# Altium PCB wtc_spi.PcbDoc (part 2 of 2)
Units mm, origin at the board's own origin, x right, y up, seen from the top; angles counter-clockwise.
Board outline 131 x 99 mm, 2 copper layers (Top Layer, Bottom Layer), stack 1.571 mm thick; 168 components, 105 nets, 503 pads, 537 vias.
Unrouted connection lines stored in the file: 1.
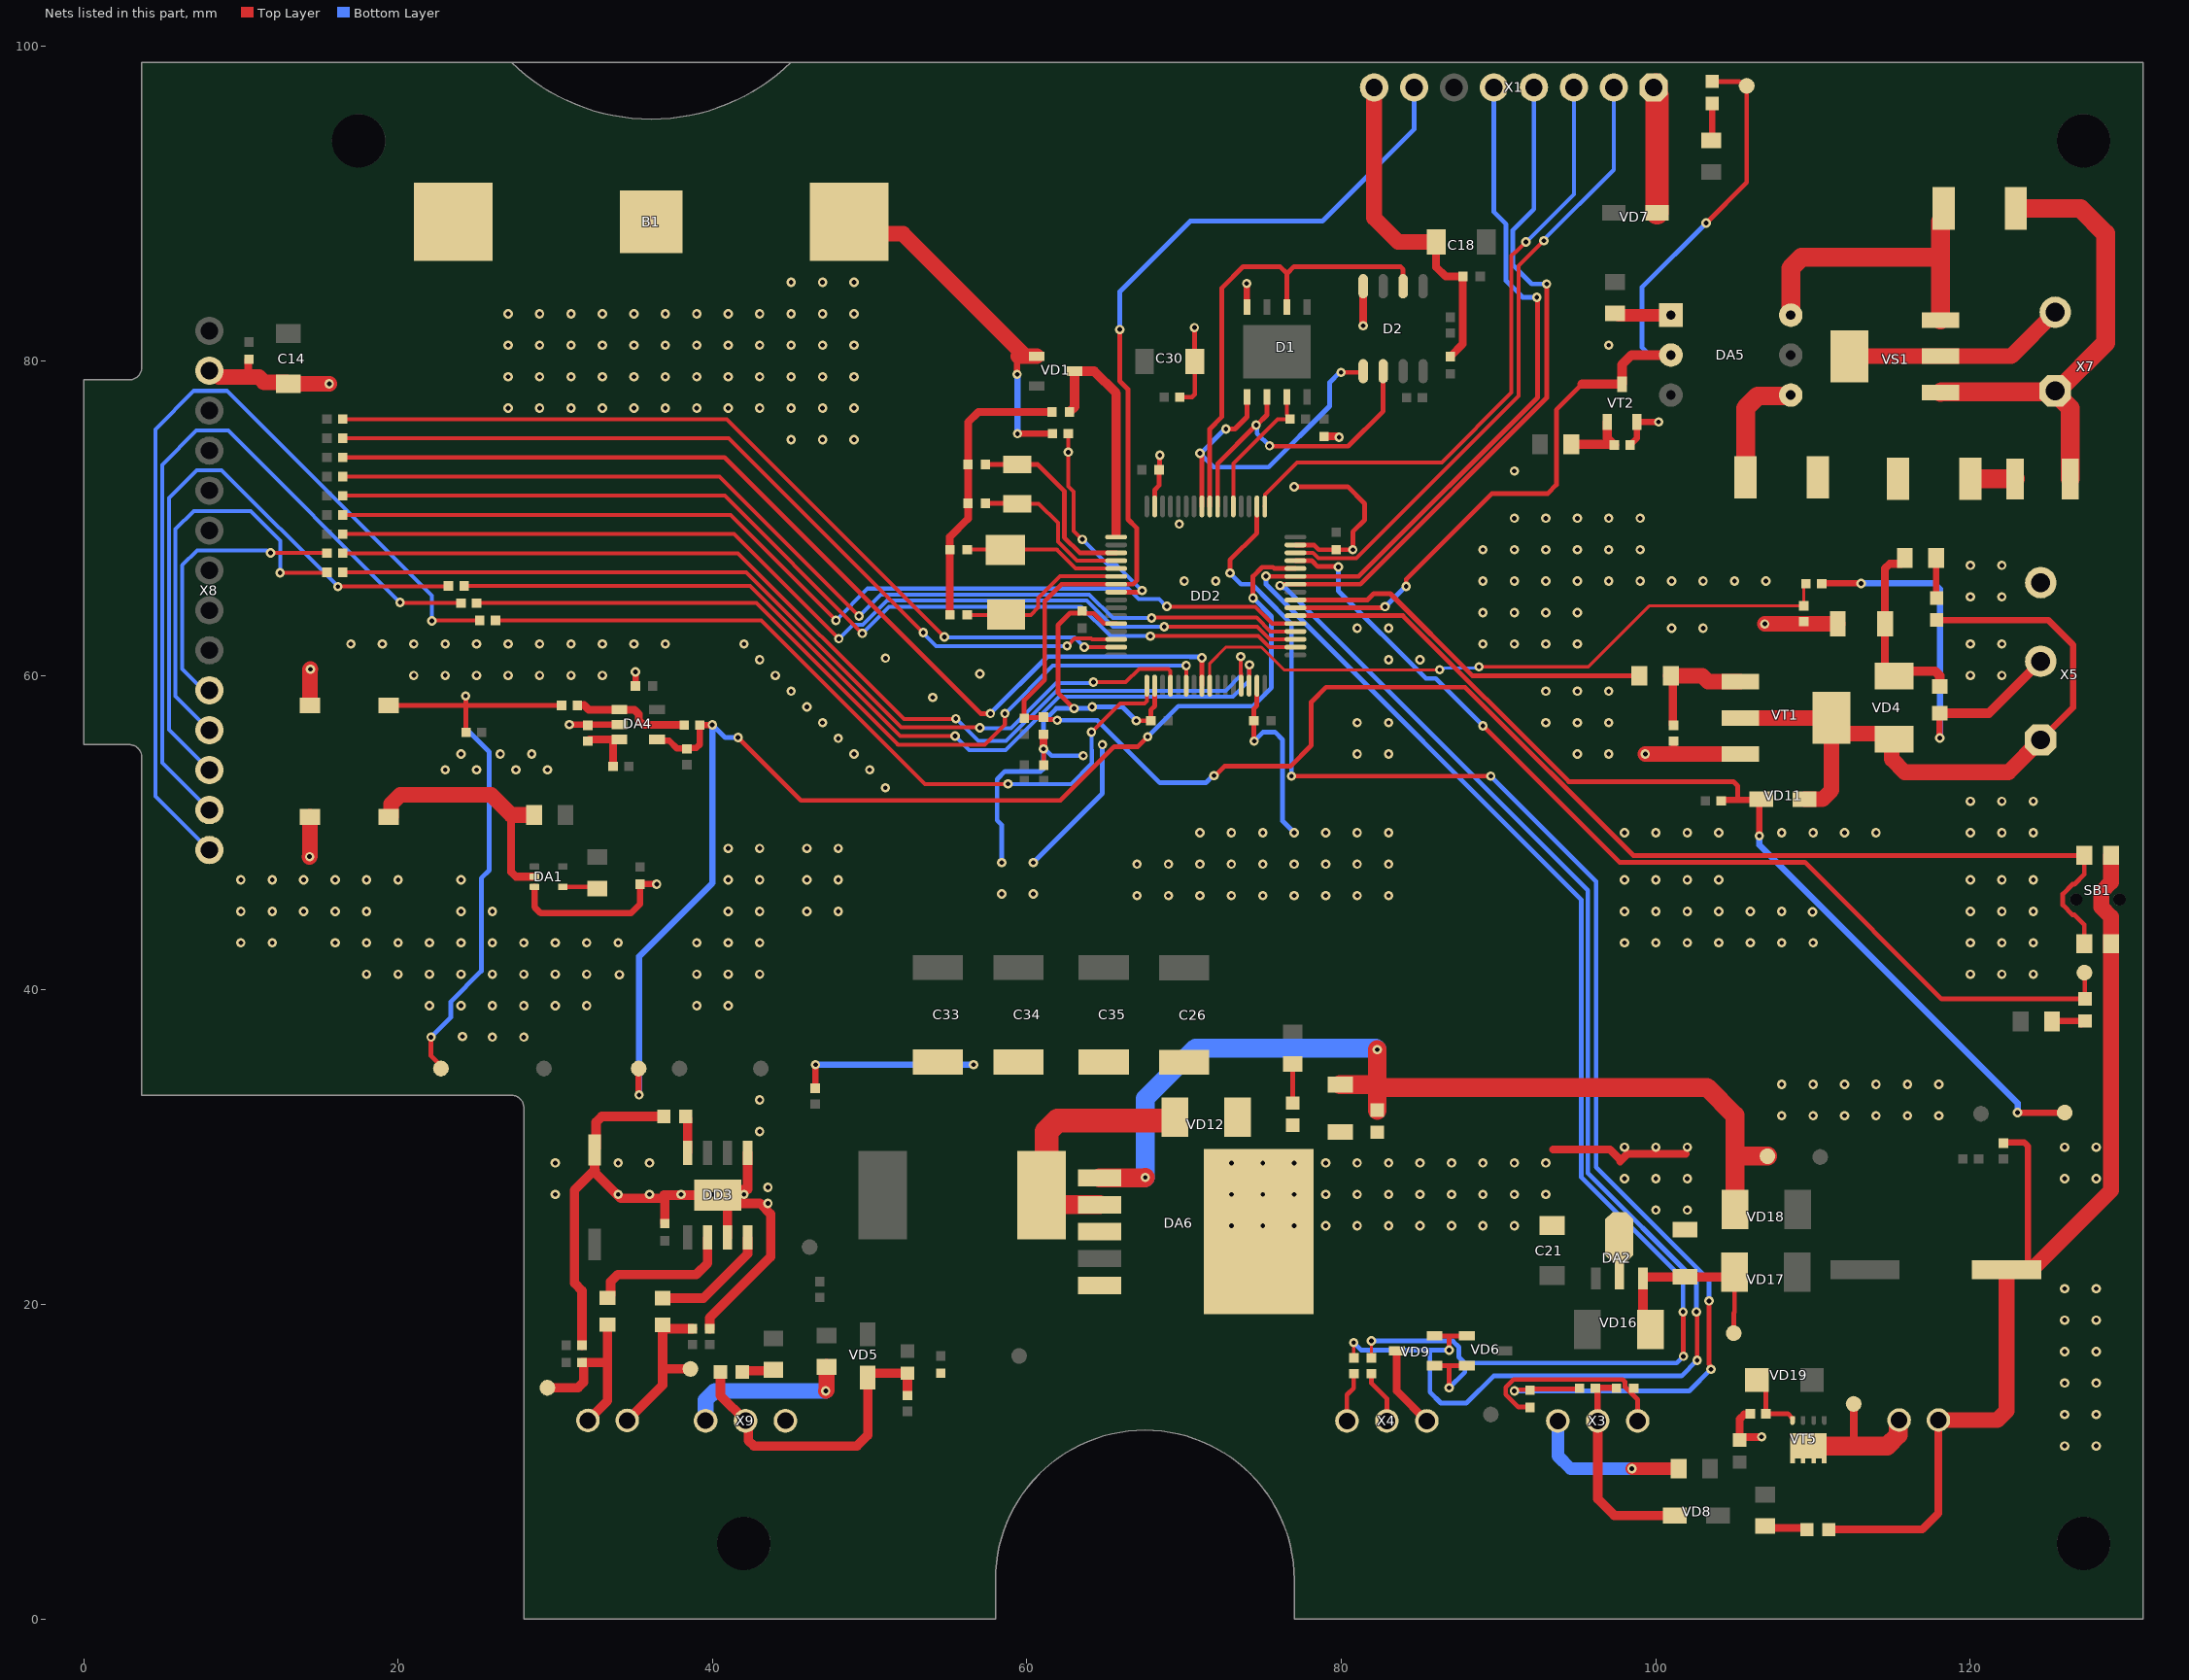
[diagram p2: the nets of this part, all layers, seen from the top]

## Via types
v1: diameter 0.6, hole 0.3, Top Layer to Bottom Layer, tented both sides, 537 vias

## Nets (pads, with @x,y where several pads share a name; then routed paths per layer and width w, separated by ;. In a path a pad name is that pad's centre, name@x,y a point inside that pad or via, vN(x,y) a via of type N, cw(c..) or ccw(c..) an arc to the next point about the centre after c; other vN are vias at no path point) (continued)
GND: B1.2 C1.1 C2.1 C3.2 C4.1 C5.2 C6.1 C7.1 C8.1 C9.2 C10.1 C11.1 C12.1 C13.1 C14.2 C15.1 C16.1 C17.1 C18.2 C19.1 C20.1 C21.2 C22.1 C23.2 C25.2 C26.2 C27.1 C28.1 C29.1 C30.2 C31.1 C32.1 C33.2 C34.2 C35.2 C36.1 C37.1 D1.4 D2.4 DA1.3 DA2.1 DA4.2 DA6.3 DA6.5 DD2.12 DD2.18 DD2.31 DD2.47 DD2.63 DD3.1 DD3.7 R3.1 R8.1 R10.1 R16.1 R26.1 R32.2 R33.1 R36.1 R37.1 R42.1 R60.1 R61.1 SB1.2 VD9.3 VD10.2 VD12.1 VD14.2 VD15.2 VT1.3 VT2.3 VT3.2 X1.8 X3.3 X4.3 X5.3 X6.2 X8.13 X9.3 | length 326.6
  Top Layer w0.3: v1(61.05,55.325) 61.063,55.312 61.063,54.312 R61.1@61.075,54.3 ; v1(63,57.9) 62.975,57.9 61.975,58.9 61.975,63.194 62.75,63.969 63.35,63.969 63.432,64.051 63.432,64.168 63.65,63.95 64.249,63.95 64.899,63.3 DD2.12@65.675,63.3 ; v1(66.95,57.125) C10.1@67.875,57.125 67.875,57.8 68.125,58.05 DD2.18@68.125,59.35 ; DD2.63@68.125,70.75 68.125,71.8 68.4,72.075 C15.1@68.4,73.075 68.425,73.1 68.425,73.975 v1(68.45,74) ; R33.1@69.725,77.7 70.499,77.7 70.675,77.876 C30.2@70.675,79.975 70.65,80 v1(70.65,82.125) ; v1(74.45,55.825) 74.425,55.85 C13.1@74.425,57.125 74.425,57.875 74.625,58.075 DD2.31@74.625,59.35 ; v1(77,72) 80.4,72 81.476,70.924 81.476,69.878 80.725,69.127 v1(80.725,68) C9.2@79.675,68 78.55,68 78.25,68.3 DD2.47@77.075,68.3 ; C36.1@92,13.45 91.978,13.472 91.25,13.472 90.45,14.272 90.45,14.728 90.947,15.225 97.888,15.225 98.035,15.079 98.035,14.752 98.84,13.946 X3.3@98.84,12.591
  Top Layer w0.4: DA1.3@28.675,46.55 28.675,45.275 29.075,44.875 34.8,44.875 35.4,45.475 C12.1@35.4,46.725 v1(36.45,46.725) ; v1(30.9,56.875) DA4.2@34.075,56.875 ; C16.1@35.1,59.325 v1(35.1,60.225) ; R60.1@46.525,33.75 46.538,33.763 46.538,35.238 v1(46.55,35.25) ; v1(73.975,84.925) 73.985,84.915 73.985,83.445 D1.4@73.995,83.435 ; R36.1@98.35,74.65 98.8,75.1 VT2.3@98.8,76.125 v1(100.175,76.125) ; R42.1@101.125,55.825 101.125,55.234 101.359,55 ; R32.2@122.025,30.3 123.425,30.3 123.659,30.066 123.659,22.441 C25.2@123.9,22.2
  Top Layer w0.5: X8.13@8.216,79.38 X8.13@8.465,79.131 ; 10.475,78.975 10.475,80.05 C17.1@10.525,80.1 ; C27.1@55.1,63.85 55.1,68.825 56.25,69.975 C6.1@56.25,70.95 C5.2@56.25,73.425 56.25,76.1 56.9,76.75 C7.1@61.6,76.75 ; v1(61.05,55.325) C4.1@61.05,56.25 ; C1.1@78.9,75.2 79.773,75.2 79.823,75.15 v1(79.85,75.15) ; v1(81.385,82.24) D2.4@81.385,84.75 ; VD9.3@83.525,17.05 83.525,14.496 X4.3@85.43,12.591 ; C18.2@86.025,87.575 86.025,85.975 86.625,85.375 C29.1@87.725,85.375 87.725,81.075 C19.1@86.925,80.275 ; 93.45,29.85 97.075,29.85 97.725,29.2 97.725,29.1 98.2,29.575 101.9,29.575 ; R37.1@106,13.05 105.95,13 105.618,13 105.325,12.707 105.325,11.575 v1(106.725,11.575) ; VD15.2@110.988,5.7 116.95,5.7 117.968,6.718 X6.2@117.968,12.647
  Top Layer w0.6: R8.1@31.7,17.4 31.7,20.875 31.225,21.35 31.225,27.275 32.5,28.55 ; 32.55,28.35 34.15,26.75 36.9,26.75 ; 32.55,28.55 32.5,28.55 ; R3.1@36.9,31.95 32.951,31.95 32.6,31.599 32.6,29.925 C23.2@32.5,29.825 32.5,28.55 ; C2.1@36.975,25.15 36.975,26.875 36.9,26.95 DD3.1@40.325,26.95 ; R10.1@39.825,18.45 39.825,19.15 43.7,23.025 43.7,25.75 43.025,26.425 DD3.1@40.85,26.425 ; DD3.7@40.96,24.25 40.96,26.315 DD3.1@40.85,26.425 ; DD3.1@42.23,29.65 42.23,27.301 40.676,27.301 DD3.1@40.325,26.95 ; DD3.1@40.325,26.95 DD3.1@40.85,26.425
  Top Layer w1: X8.13@8,79.38 X8.13@8.216,79.38 ; X8.13@8.465,79.131 8.621,78.975 10.475,78.975 11.15,78.975 11.475,78.65 12.925,78.65 C14.2@13.025,78.55 v1(15.625,78.55) ; v1(14.375,48.475) 14.4,48.5 VD10.2@14.4,51 ; VT3.2@14.4,58.1 14.4,60.375 v1(14.425,60.4) ; X1.8@82.08,97.4 82.08,89.095 83.6,87.575 C18.2@86.025,87.575 ; v1(99.325,55) 101.359,55 VT1.3@105.375,55 ; v1(106.925,63.275) C8.1@111.575,63.275 ; X6.2@117.968,12.647 121.714,12.647 122.3,13.233 C25.2@122.3,22.2 123.9,22.2 128.95,27.25 SB1.2@128.95,42.95 128.95,44.649 128.325,45.274 128.325,46.226 128.95,46.851 SB1.2@128.95,48.55
  Top Layer w1.2: DA6.3@73.2,27.9 73.2,28.7 DA6.3@73.4,28.9
  Bottom Layer w0.3: v1(58.4,48.1) 58.4,50.491 58.1,50.791 58.1,53.4 58.6,53.9 60.874,53.9 61.05,54.076 v1(61.05,55.325) ; v1(60.4,48.1) 64.8,52.5 v1(64.8,55.6) ; v1(63.575,54.9) 61.556,54.9 61.131,55.325 v1(61.05,55.325) ; v1(66.95,57.125) 66.075,58 v1(64.15,58) 64.069,58 63.969,57.9 v1(63,57.9) 61.862,57.9 61.05,57.088 v1(61.05,55.325) ; v1(74.45,55.825) 75.025,56.4 75.763,56.4 76.25,55.913 76.25,50.75 v1(77,50)
  Bottom Layer w0.4: v1(46.55,35.25) v1(56.596,35.25)
  other v1: 126,11 128,11 126,13 128,13 126,15 128,15 126,17 128,17 126,19 128,19 126,21 128,21 73,25 75,25 77,25 79,25 81,25 83,25 85,25 87,25 89,25 91,25 100,26 102,26 43.525,26.425 30,27 34,27 36,27 38,27 40,27 42,27 73,27 75,27 77,27 79,27 81,27 83,27 85,27 87,27 89,27 91,27 93,27 43.525,27.45 98,28 100,28 102,28 126,28 128,28 30,29 34,29 36,29 73,29 75,29 77,29 79,29 81,29 83,29 85,29 87,29 89,29 91,29 93,29 98,30 100,30 102,30 126,30 128,30 43,31 108,32 110,32 112,32 114,32 116,32 118,32 43,33 108,34 110,34 112,34 114,34 116,34 118,34 26,37 28,37 24.093,37.037 22,39 24,39 26,39 28,39 30,39 32,39 39,39 41,39 34.072,40.969 18,41 20,41 22,41 24,41 26,41 28,41 30,41 32,41 39,41 41,41 43,41 120,41 122,41 124,41 10,43 12,43 16,43 18,43 20,43 22,43 24,43 26,43 28,43 30,43 32,43 34,43 39,43 41,43 43,43 98,43 100,43 102,43 104,43 106,43 108,43 110,43 120,43 122,43 124,43 109.958,44.958 10,45 12,45 14,45 16,45 18,45 24,45 26,45 41,45 43,45 46,45 48,45 98,45 100,45 102,45 104,45 106,45 108,45 120,45 122,45 124,45 67,46 69,46 71,46 73,46 75,46 77,46 79,46 81,46 83,46 58.4,46.1 60.4,46.1 10,47 12,47 14,47 16,47 18,47 20,47 24,47 41,47 43,47 46,47 48,47 98,47 100,47 102,47 104,47 120,47 122,47 124,47 67,48 69,48 71,48 73,48 75,48 77,48 79,48 81,48 83,48 41,49 43,49 46,49 48,49 71,50 73,50 75,50 79,50 81,50 83,50 98,50 100,50 102,50 104,50 108,50 110,50 112,50 114,50 120,50 122,50 124,50 120,52 122,52 124,52 50.998,52.856 23,54 25,54 27.5,54 29.5,54 50,54 24,55 26.5,55 28.5,55 49,55 81,55 83,55 95,55 97,55 48,56 47,57 81,57 83,57 93,57 95,57 97,57 46,58 54,58.6 45,59 93,59 95,59 97,59 21,60 23,60 25,60 27,60 29,60 31,60 33,60 44,60 120,60 122,60 57,60.1 43,61 83,61 85,61 51,61.1 17,62 19,62 21,62 23,62 25,62 27,62 29,62 31,62 33,62 35,62 37,62 42,62 89,62 91,62 93,62 95,62 120,62 122,62 81,63 83,63 101,63 103,63 89,64 91,64 93,64 95,64 120,65 122,65 70,66 72,66 89,66 91,66 93,66 95,66 97,66 99,66 101,66 103,66 105,66 107,66 120,67 122,67 89,68 91,68 93,68 95,68 97,68 99,68 69.69,69.629 91,70 93,70 95,70 97,70 99,70 91,73 45,75 47,75 49,75 27,77 29,77 31,77 33,77 35,77 37,77 39,77 41,77 43,77 45,77 47,77 49,77 27,79 29,79 31,79 33,79 35,79 37,79 39,79 41,79 43,79 45,79 47,79 49,79 27,81 29,81 31,81 33,81 35,81 37,81 39,81 41,81 43,81 45,81 47,81 49,81 97,81 27,83 29,83 31,83 33,83 35,83 37,83 39,83 41,83 43,83 45,83 47,83 49,83 45,85 47,85 49,85
MEM_CLK: D1.6 D2.6 DD2.55 | length 20.6
  Top Layer w0.3: DD2.55@72.125,70.75 72.125,73.475 v1@74.555,75.905 ; v1(74.575,75.925) 74.619,75.925 75.265,76.571 D1.6@75.265,77.715 ; v1(75.425,74.6) 75.55,74.6 75.575,74.575 80.425,74.575 82.655,76.805 D2.6@82.655,79.35
  Bottom Layer w0.3: v1(74.575,75.925) 74.632,75.868 74.632,75.393 v1(75.425,74.6)
MEM_MISO: D1.2 D2.2 DD2.56 | length 29.9
  Top Layer w0.3: DD2.56@71.625,70.75 71.625,75.675 72.4,76.45 72.4,84.65 73.75,86 76.095,86 76.535,85.56 ; D1.2@76.535,83.435 76.535,85.56 ; D2.2@83.925,84.75 83.925,85.824 83.749,86 76.975,86 76.535,85.56
MEM_MOSI: D1.5 D2.5 DD2.57 | length 22.8
  Top Layer w0.3: v1(71,74.125) 71,74.044 71.125,73.919 DD2.57@71.125,70.75 ; v1(72.65,75.675) 73.225,75.675 73.995,76.445 D1.5@73.995,77.715 ; v1(79.975,79.275) 81.31,79.275 D2.5@81.385,79.35
  Bottom Layer w0.3: v1(72.65,75.675) 72.6,75.675 71.05,74.125 v1(71,74.125) 71.875,73.25 75.375,73.25 79.25,77.125 79.25,78.631 79.894,79.275 v1(79.975,79.275)
MEM_RST: D1.7 DD2.53 R62.1 | length 8.8
  Top Layer w0.25: DD2.53@73.125,70.75 73.125,73.475 75.95,76.3 R62.1@76.725,76.3 ; D1.7@76.535,77.715 76.535,76.565 R62.1@76.675,76.425
METER_INP: C36.2 DD2.50 R46.1 | length 93.4
  Top Layer w0.3: v1(72.911,66.512) 72.911,67.334 74.625,69.048 DD2.50@74.625,70.75 ; v1(76.825,53.6) v1(89.5,53.6) ; v1(91,14.5) 91.081,14.5 91.153,14.572 91.85,14.572 91.953,14.675 92,14.675 92.062,14.613 95.088,14.613 R46.1@95.15,14.675 ; v1(103.375,20.225) 103.375,16.201 103.443,16.133 103.443,15.932 v1(103.5,15.875)
  Bottom Layer w0.3: v1(72.911,66.512) 73.619,65.804 74.309,65.804 74.96,65.153 74.96,65.138 76.825,63.273 v1(76.825,53.6) ; v1(89.5,53.6) 96.2,46.9 96.2,28.725 103.375,21.55 v1(103.375,20.225) ; v1(91,14.5) 102.125,14.5 v1(103.5,15.875)
Net15V_D3.3V_0: 15V_D3.3V.0 C31.2 C32.2 DA6.1 VD18.2 | length 61.9
  Top Layer w1.2: DA6.1@64.613,28.045 67.495,28.045 v1(67.525,28.075) ; C31.2@79.925,33.975 81.975,33.975 82.15,33.8 82.275,33.8 ; C32.2@82.275,32.35 82.275,33.8 ; v1(82.275,36.2) 82.275,33.8 ; VD18.2@105.025,26.025 105.025,29.425 ; 15V_D3.3V.0@107.1,29.425 105.025,29.425 ; 82.275,33.8 103.25,33.8 105.025,32.025 105.025,29.425
  Bottom Layer w1.2: v1(67.525,28.075) 67.525,33.1 70.725,36.3 82.175,36.3 v1(82.275,36.2)
Net15V_D5V_0: 15V_D5V.0 C20.2 DA2.2 VD16.2 VD17.2 | length 13.4
  Top Layer w0.3: 15V_D5V.0@104.95,18.175 104.95,19.45 105,19.5 105,22 VD17.2@105,22.05
  Top Layer w0.6: VD16.2@99.65,18.4 99.175,18.875 DA2.2@99.175,21.65 99.175,21.75 C20.2@101.85,21.75 104.75,21.75 VD17.2@105,22
NetC5_1: C5.1 DD2.3 Z1.3 | length 12.4
  Top Layer w0.3: C5.1@57.35,73.425 59.375,73.425 60.675,73.425 62.375,71.725 62.375,68.775 63.35,67.8 DD2.3@65.675,67.8
NetC6_2: C6.2 DD2.4 Z1.1 | length 10.5
  Top Layer w0.25: Z1.1@59.35,70.95 Z1.1@59.375,70.925 60.75,70.925 61.975,69.7 61.975,68.5 63.175,67.3 DD2.4@65.675,67.3
  Top Layer w0.3: C6.2@57.35,70.95 Z1.1@59.35,70.95
NetC7_2: C7.2 DD2.1@65.675,68.8 VD1.2 | length 15.1
  Top Layer w0.2: DD2.1@65.675,68.8 65.675,69.025
  Top Layer w0.6: C7.2@62.7,76.75 63.025,77.075 VD1.2@63.025,79.35 64.275,79.35 65.675,77.95 65.675,75.35 65.675,69.025
NetC8_2: C8.2 FU5.1 R44.2 VD4.2 | length 12.5
  Top Layer w0.5: VD4.2@115.475,60.275 VD4.2@115.15,59.95 114.575,60.525 114.575,66.807 114.868,67.1 115.575,67.1 115.825,67.35 R44.2@115.825,67.475
  Top Layer w0.6: VD4.2@115.475,60.275 117.757,60.275 118.05,59.982 FU5.1@118.05,59.3
NetC24_1: C24.1 R12.1 VS1.1 X7.1 | length 31.1
  Top Layer w1.2: VS1.1@118.1,78 118.15,78.05 125.35,78.05 X7.1@125.4,78.1 ; R12.1@122.9,89.7 127,89.7 128.6,88.1 128.6,81.151 125.549,78.1 X7.1@125.4,78.1 ; C24.1@126.35,72.5 126.35,77.001 125.4,77.951 X7.1@125.4,78.1
NetC24_2: C24.2 R53.2 | length 2.8
  Top Layer w1.2: R53.2@120,72.5 C24.2@122.85,72.5
NetC27_2: C27.2 DD2.6 Z2.1 | length 10.8
  Top Layer w0.25: C27.2@56.2,63.85 60.25,63.85 60.725,64.325 60.725,64.925 62.1,66.3 DD2.6@65.675,66.3
NetC28_2: C28.2 DD2.5 Z2.3 | length 10
  Top Layer w0.25: C28.2@56.2,68 61.9,68 63.1,66.8 DD2.5@65.675,66.8
NetC37_2: C37.2 R46.2 VD8.1 X3.2 | length 13.8
  Top Layer w0.4: X3.2@96.3,12.591 96.3,14.525 R46.2@96.15,14.675 96.163,14.688 97.438,14.688 C37.2@97.45,14.7
  Top Layer w0.6: X3.2@96.3,12.591 96.3,7.625 97.35,6.575 VD8.1@101.2,6.575
NetDA1_2: DA1.2 R52.1 VD10.1 | length 15.7
  Top Layer w0.5: 27.2,50.954 27.2,47.493 27.493,47.2 DA1.2@28.675,47.2
  Top Layer w1: VD10.1@19.55,51 19.55,51.814 20.136,52.4 25.925,52.4 27.2,51.125 R52.1@28.65,51.125
NetDA1_4: DA1.4 R49.1 | length 2.2
  Top Layer w0.3: DA1.4@30.475,46.55 32.575,46.55 R49.1@32.675,46.45
NetDA4_1: DA4.1 R20.1 R22.2 | length 7.1
  Top Layer w0.5: 31.825,58.125 32.125,57.825 DA4.1@34.075,57.825 35.032,57.825 35.325,57.532 35.325,57.143 35.618,56.85 R20.1@38.2,56.85
NetDA4_3: DA4.3 R19.1 R26.2 | length 3.8
  Top Layer w0.5: R26.2@32.075,55.825 32.175,55.925 DA4.3@33.875,55.925 ; R19.1@33.675,54.225 33.675,55.725 DA4.3@33.875,55.925 ; DA4.3@34.075,55.925 DA4.3@33.875,55.925
NetDA5_1: DA5.1 R13.1 | length 3.6
  Top Layer w0.8: R13.1@97.4,83.025 97.525,83.025 97.635,82.915 DA5.1@100.955,82.915
NetDA5_4: DA5.4 R11.2 | length 7.6
  Top Layer w1.2: R11.2@105.7,72.6 105.7,77 106.478,77.778 108.518,77.778 DA5.4@108.575,77.835
NetDA5_6: DA5.6 R12.2 VS1.3 | length 20
  Top Layer w1.2: DA5.6@108.575,82.915 108.575,85.897 109.278,86.6 118,86.6 118.1,86.7 ; VS1.3@118.1,82.6 118.1,86.7 ; R12.2@118.3,89.7 118.3,89.05 118.1,88.85 118.1,86.7
NetDA6_2: DA6.2 L1.2 VD12.2 | length 16.1
  Top Layer w1.2: L1.2@60.925,26.335 DA6.2@64.613,26.335 ; L1.2@60.925,26.95 L1.2@61.247,27.272
  Top Layer w1.5: L1.2@61.247,27.272 61.247,30.997 61.95,31.7 VD12.2@69.2,31.7
NetDD2_8: DD2.8 R35.2 | length 14
  Top Layer w0.25: R35.2@62.625,75.375 v1(62.625,74.2) 62.625,72.041 62.975,71.691 62.975,69.175 63.5,68.65 v1(63.525,68.65)
  Top Layer w0.3: DD2.8@65.675,65.3 67.144,65.3 67.244,65.4 v1(67.325,65.4)
  Bottom Layer w0.25: v1(63.525,68.65) 65.15,67.025 65.7,67.025 v1(67.325,65.4)
NetDD2_14: DD2.14 R27.2 | length 54.9
  Top Layer w0.25: R27.2@16.475,75.082 41.018,75.082 53.375,62.725 v1(53.4,62.725) ; v1(62.55,61.875) 62.555,61.875 63.03,62.35 64.086,62.35 64.136,62.3 DD2.14@65.675,62.3
  Bottom Layer w0.25: v1(53.4,62.725) 53.4,62.7 54.225,61.875 v1(62.55,61.875)
NetDD2_15: DD2.15 R28.2 | length 55.2
  Top Layer w0.25: R28.2@16.475,76.3 40.9,76.3 v1(54.75,62.45) ; v1(63.65,61.8) DD2.15@65.675,61.8 DD2.15@65.665,61.79
  Bottom Layer w0.25: v1(54.75,62.45) 54.775,62.425 63.025,62.425 v1(63.65,61.8)
NetDD2_17: DD2.17 R30.2 | length 50
  Top Layer w0.25: R30.2@26.24,63.5 43.1,63.5 53.5,53.1 v1(58.8,53.1) ; v1(64.1,56.4) 65.925,58.225 67.479,58.225 67.625,58.371 DD2.17@67.625,59.35
  Bottom Layer w0.25: v1(58.8,53.1) 62.8,53.1 64.125,54.425 64.125,55.255 64.1,55.28 v1(64.1,56.4)
NetDD2_20: DD2.20 R31.2 | length 59.3
  Top Layer w0.25: R31.2@16.475,66.555 42.149,66.555 52.002,56.702 56.973,56.702 v1(57,56.675) ; v1(64.225,59.575) 66.28,59.575 67.13,60.425 68.979,60.425 69.125,60.279 DD2.20@69.125,59.35
  Bottom Layer w0.25: v1@57,56.654 58.979,56.654 61.85,59.525 64.175,59.525 v1(64.225,59.575)
NetDD2_22: DD2.22 R5.2 | length 52.6
  Top Layer w0.25: R5.2@25.043,64.6 42.8,64.6 51.798,55.602 57.302,55.602 58.595,56.895 v1(58.595,57.579) ; DD2.22@70.125,59.35 v1(70.125,60.625)
  Bottom Layer w0.25: v1(58.595,57.579) 61.642,60.625 v1(70.125,60.625)
NetDD2_24: DD2.24 R38.2 | length 64.7
  Top Layer w0.3: R38.2@16.475,73.864 40.761,73.864 57.046,57.579 v1(57.675,57.579) ; DD2.24@71.125,59.35 v1(71.125,61.125)
  Bottom Layer w0.3: v1(57.675,57.579) 61.296,61.2 70.369,61.2 70.386,61.182 71.068,61.182 v1(71.125,61.125)
NetDD2_29: DD2.29 R4.2 | length 66.9
  Top Layer w0.25: R4.2@16.475,67.773 41.627,67.773 52.175,57.225 55.448,57.225 v1(55.475,57.252) ; v1(73.6,61.2) 73.6,60.128 73.615,60.112 73.615,59.36 DD2.29@73.625,59.35
  Bottom Layer w0.25: v1(55.475,57.252) 56.902,55.825 58.68,55.825 61.88,59.025 72.625,59.025 73.6,60 v1(73.6,61.2)
NetDD2_30: DD2.30 R6.2 | length 58.4
  Top Layer w0.25: R6.2@24.185,65.7 42.4,65.7 51.948,56.152 v1(55.425,56.152) ; DD2.30@74.125,59.35 74.135,59.36 74.135,60.66 v1(74.15,60.675)
  Bottom Layer w0.25: v1(55.425,56.152) 56.327,55.25 58.646,55.25 62.046,58.65 73.1,58.65 74.131,59.681 74.131,60.656 v1(74.15,60.675)
NetDD2_34: DD2.34 R23.2 | length 66
  Top Layer w0.25: R23.2@16.475,71.427 40.773,71.427 v1(49.525,62.675) ; v1(67.85,62.5) 74.714,62.5 75.414,61.8 DD2.34@77.075,61.8
  Bottom Layer w0.25: v1(49.525,62.675) 51.225,64.375 63.445,64.375 65.32,62.5 v1(67.85,62.5)
NetDD2_35: DD2.35 R24.2 | length 65.4
  Top Layer w0.25: R24.2@16.475,68.991 41.378,68.991 v1(48.034,62.334) ; v1(68.725,63.1) 74.645,63.1 75.445,62.3 DD2.35@77.075,62.3
  Bottom Layer w0.25: v1(48.034,62.334) 48.925,63.225 49.545,63.225 51.095,64.775 63.8,64.775 65.475,63.1 v1(68.725,63.1)
NetDD2_36: DD2.36 R25.2 | length 65.8
  Top Layer w0.25: R25.2@16.475,72.645 40.455,72.645 v1(49.321,63.779) ; v1(67.925,63.65) 67.95,63.675 74.6,63.675 75.475,62.8 DD2.36@77.075,62.8
  Bottom Layer w0.25: v1(49.321,63.779) 49.329,63.779 50.7,65.15 63.955,65.15 65.455,63.65 v1(67.925,63.65)
NetDD2_37: DD2.37 R39.2 | length 65.1
  Top Layer w0.25: R39.2@16.475,70.209 41.141,70.209 v1(47.85,63.5) ; v1(68.894,64.394) 68.913,64.375 74.525,64.375 75.6,63.3 DD2.37@77.075,63.3
  Bottom Layer w0.25: v1(47.85,63.5) 49.875,65.525 66.422,65.525 67.097,64.85 68.395,64.85 68.851,64.394 v1(68.894,64.394)
NetDD3_4: DD3.4 R3.2 | length 2.3
  Top Layer w0.6: R3.2@38.3,31.95 38.42,31.83 DD3.4@38.42,29.65
NetDD3_6: DD3.6 FU3.1 | length 9.4
  Top Layer w0.6: FU3.1@33.325,20.425 33.375,20.425 33.525,20.575 33.525,21.45 33.975,21.9 38.975,21.9 39.69,22.615 DD3.6@39.69,24.25
NetDD3_8: DD3.8 FU1.1 | length 7.6
  Top Layer w0.6: FU1.1@36.825,20.4 39.425,20.4 42.23,23.205 DD3.8@42.23,24.25
NetFU1_2: FU1.2 M_OUT2.0 R9.1 X2.2 | length 10.4
  Top Layer w0.6: X2.2@34.575,12.625 36.825,14.875 36.825,15.9 ; M_OUT2.0@38.6,15.9 36.825,15.9 ; R9.1@38.725,18.45 36.95,18.45 36.825,18.325 36.825,15.9
NetFU3_2: FU3.2 M_OUT1.0 R7.1 X2.1 | length 12
  Top Layer w0.6: M_OUT1.0@29.5,14.7 31.449,14.7 31.8,15.051 31.8,16.2 R7.1@31.7,16.3 33.325,16.3 ; X2.1@32.075,12.625 33.325,13.875 33.325,16.3 ; FU3.2@33.325,18.725 33.325,16.3
NetFU5_2: FU5.2 R15.1 X5.2 | length 26.5
  Top Layer w0.4: R15.1@110.575,65.85 v1(113.05,65.85) ; v1(118.05,56.025) FU5.2@118.05,57.6
  Top Layer w0.6: FU5.2@118.05,57.6 121.175,57.6 X5.2@124.475,60.9
  Bottom Layer w0.4: v1(113.05,65.85) 117.725,65.85 118.075,65.5 118.075,56.05 v1(118.05,56.025)
NetOPTIC_0: OPTIC.0 R22.1 R48.1 VT3.1 | length 39.4
  Top Layer w0.3: VT3.1@19.4,58.1 24.325,58.1 ; v1(22.1,37) 22.1,35.814 22.725,35.189 OPTIC.0@22.725,35 ; v1(24.3,58.7) 24.325,58.675 24.325,58.1 ; R48.1@24.325,56.375 24.325,58.1 ; R22.1@30.4,58.1 24.325,58.1
  Bottom Layer w0.3: v1(22.1,37) 23.366,38.266 23.366,39.266 25.3,41.2 25.3,47.1 25.8,47.6 25.8,55.141 24.3,56.641 v1(24.3,58.7)
NetR11_1: R11.1 R53.1 VS1.2 X7.2 | length 14.3
  Top Layer w1: VS1.2@112.3,80.3 VS1.2@118.1,80.3 122.6,80.3 X7.2@125.4,83.1
NetR14_1: R14.1 VD3.1 | length 2.4
  Top Layer w0.4: R14.1@103.525,94.025 103.575,94.075 VD3.1@103.575,96.375
NetR18_1: R18.1 R36.2 VT2.1 | length 4.3
  Top Layer w0.6: R18.1@94.625,74.7 R36.2@97.3,74.7 ; VT2.1@96.9,76.125 96.9,75.1 R36.2@97.3,74.7 ; R36.2@97.35,74.65 R36.2@97.3,74.7
NetR37_2: R37.2 VD19.1 VT5.1 | length 4.2
  Top Layer w0.3: VD19.1@106.425,15.2 107,14.625 R37.2@107,13.05 108.394,13.05 108.687,12.757 VT5.1@108.687,12.732
NetR40_1: R40.1 R42.2 VT1.1 | length 7.8
  Top Layer w0.5: R40.1@100.95,59.975 101.075,59.85 101.075,56.875 R42.2@101.125,56.825
  Top Layer w1: R40.1@100.95,59.975 102.95,59.975 103.325,59.6 VT1.1@105.375,59.6
NetR41_2: R41.2 R45.2 VD5.1 VD20.2 X9.2 | length 20.7
  Top Layer w0.6: VD20.2@40.5,15.7 40.5,14.2 X9.2@42.1,12.6 42.272,12.428 42.272,11.351 42.624,11 49.2,11 49.875,11.675 VD5.1@49.875,15.35 49.875,15.425 50.075,15.625 R45.2@52.4,15.625 R41.2@52.4,14.4
NetR43_2: R43.2 X9.1 | length 10.8
  Top Layer w1: v1(47.2,14.5) 47.25,14.55 R43.2@47.25,16.025 R43.2@47.26,16.025
  Bottom Layer w1: X9.1@39.56,12.6 39.56,13.914 40.146,14.5 v1(47.2,14.5)
NetR44_1: R44.1 VD2.1 | length 2.6
  Top Layer w0.4: R44.1@117.825,67.475 117.837,67.463 117.837,64.938 VD2.1@117.85,64.925
NetR47_2: R47.2 X3.1 | length 10.3
  Top Layer w0.8: v1(98.475,9.55) R47.2@101.45,9.55
  Bottom Layer w0.8: X3.1@93.76,12.591 93.76,10.365 94.575,9.55 v1(98.475,9.55)
NetR50_1: R50.1 VD13.1 | length 2.4
  Top Layer w0.4: R50.1@125.2,38 125.225,38.025 VD13.1@127.3,38.025 VD13.1@127.075,37.8
NetR51_1: R51.1 VD14.1 | length 2.5
  Top Layer w0.3: VD14.1@76.9,32.8 R51.1@76.9,35.3
NetR54_1: R54.1 VD15.1 | length 2.7
  Top Layer w0.5: R54.1@106.95,5.9 107.062,5.787 109.488,5.787 VD15.1@109.6,5.675
NetR57_1: R57.1 X4.1 | length 3.2
  Top Layer w0.3: X4.1@80.35,12.591 80.35,14.25 80.775,14.675 R57.1@80.775,15.6
NetR59_1: R59.1 X4.2 | length 3.4
  Top Layer w0.3: R59.1@81.9,15.6 81.9,15 82.89,14.01 X4.2@82.89,12.591
NetR63_1: R63.1 VD20.1 | length 2.1
  Top Layer w0.6: VD20.1@41.921,15.679 VD20.1@41.9,15.7 41.973,15.773 43.795,15.773 R63.1@43.867,15.845
NetTP20_0: TP20.0 VT5.2 X6.1 | length 9.7
  Top Layer w0.5: TP20.0@112.575,13.675 112.575,11.15 112.725,11
  Top Layer w1.2: VT5.2@109.7,11 112.725,11 114.707,11 115.41,11.703 115.41,12.59 X6.1@115.468,12.647
NetVD2_2: VD2.2 VD4.1 VD11.2 VT1.2 X5.1 | length 45
  Top Layer w0.4: VD2.2@117.85,63.525 124.95,63.525 126.525,61.95 126.525,57.95 X5.1@124.475,55.9
  Top Layer w1: VT1.2@105.375,57.3 VT1.2@111.175,57.3 VT1.2@111.175,57 ; VD11.2@109.45,52.125 110.589,52.125 111.175,52.711 VT1.2@111.175,57 ; X5.1@124.475,55.9 122.425,53.85 115.825,53.85 115,54.675 115,55.8 VD4.1@115.15,55.95 114.8,56.3 111.875,56.3 VT1.2@111.175,57
NetVD7_1: VD7.1 X1.1 | length 8.2
  Top Layer w1.5: X1.1@99.999,97.55 99.999,96.971 100.075,96.896 VD7.1@100.075,89.425
NRST: C4.2 DD2.7 R34.1 SB1.1 X1.7 | length 143.3
  Top Layer w0.3: v1(61.925,57.15) 61.868,57.207 61.118,57.207 61.012,57.312 59.862,57.312 R34.1@59.825,57.275 59.825,58.425 61.125,59.725 61.125,64.725 62.2,65.8 DD2.7@65.675,65.8 66.75,65.8 66.975,66.025 66.975,69.375 66.425,69.925 66.425,78.2 65.9,78.725 v1@65.9,81.85 ; v1(71.9,53.625) 71.973,53.625 72.573,54.225 76.75,54.225 78.075,55.55 78.075,58.3 79.025,59.25 87.86,59.25 98.56,48.55 SB1.1@127.25,48.55 127.25,47.35 126.626,46.726 126.499,46.726 125.875,46.102 125.875,45.398 126.499,44.774 126.626,44.774 127.25,44.15 SB1.1@127.25,42.95
  Bottom Layer w0.3: v1(61.925,57.15) 64.475,57.15 68.45,53.175 71.369,53.175 71.819,53.625 v1(71.9,53.625) ; v1(65.9,82) 65.9,84.413 70.387,88.9 78.8,88.9 84.62,94.72 X1.7@84.62,97.4
OBST: DA4.4 DD2.44 OPTIC_F.0 R20.2 R21.1 | length 83.2
  Top Layer w0.3: v1(41.625,56.05) 45.625,52.05 62.125,52.05 65.55,55.475 67.05,55.475 v1(67.675,56.1) ; v1(74.375,64.925) 74.375,66.305 74.953,66.882 75.649,66.882 75.731,66.8 DD2.44@77.075,66.8
  Top Layer w0.4: OPTIC_F.0@35.3,34.85 35.312,34.837 35.312,33.337 v1(35.325,33.325) ; DA4.4@36.475,55.925 36.549,55.851 37.249,55.851 37.751,55.349 38.351,55.349 R21.1@38.375,55.325 38.433,55.383 38.966,55.383 39.2,55.617 R20.2@39.2,56.85 39.203,56.853 v1(39.988,56.853)
  Bottom Layer w0.3: v1(39.988,56.853) 40.01,56.853 40.813,56.05 v1(41.625,56.05) ; v1(67.675,56.1) 69.625,58.05 74.375,58.05 75.55,59.225 75.55,63.75 v1(74.375,64.925)
  Bottom Layer w0.4: v1(35.325,33.325) 35.325,42.125 39.988,46.788 v1(39.988,56.853)
RELAY_1_CNTR: DD2.38 R17.1 REL_DC_ON.0 VD11.1 | length 66
  Top Layer w0.3: DD2.38@77.075,63.8 83.911,63.8 94.461,53.25 104.925,53.25 105.2,52.975 105.2,52.075
  Top Layer w0.4: R17.1@104.15,52.025 104.2,52.075 105.2,52.075 106.65,52.075 106.575,52 v1(106.575,49.8) ; v1@123.025,32.175 REL_DC_ON.0@126.3,32.175
  Bottom Layer w0.4: v1(106.575,49.8) 106.575,49.225 123,32.8 v1(123,32.2)
RELAY_1_ON: DD2.40 R40.2 | length 24.2
  Top Layer w0.3: DD2.40@77.075,64.8 81.653,64.8 82.053,65.2 83.112,65.2 88.337,59.975 R40.2@98.95,59.975
RELAY_2_CNTR: DA5.2 DD2.39 REL_AC_FB.0 VD3.2 VT2.2 | length 57.8
  Top Layer w0.3: DD2.39@77.075,64.3 v1@82.488,64.3 ; v1(84.112,65.662) 84.118,65.668 84.118,66.118 89.575,71.575 93.125,71.575 93.675,72.125 93.675,76.899 95.301,78.525 ; v1(103.2,88.775) 105.775,91.35 REL_AC_FB.0@105.775,97.5 105.586,97.5 105.311,97.775 VD3.2@103.575,97.775
  Top Layer w0.6: 95.301,78.525 VT2.2@97.85,78.525 97.85,79.775 98.45,80.375 DA5.2@100.955,80.375
  Bottom Layer w0.3: v1(82.775,64.375) 82.8,64.375 84.088,65.662 v1(84.112,65.662) ; DA5.2@100.955,80.375 100.93,80.35 99.625,80.35 99.125,80.85 99.125,84.7 v1(103.2,88.775)
RELAY_PWR_CNTR: DD2.25 R15.2 R16.2 | length 43.4
  Top Layer w0.2: DD2.25@71.625,59.35 71.625,60.767 72.658,61.8 74.9,61.8 76.35,60.35 86.225,60.35 v1(86.244,60.369) ; v1(88.75,60.55) 95.7,60.55 99.575,64.425 R16.2@109.4,64.425 109.4,65.675 R15.2@109.55,65.825
  Bottom Layer w0.2: v1(86.244,60.369) 86.302,60.427 86.495,60.427 86.542,60.473 88.673,60.473 v1(88.75,60.55)
RX: DD2.43 R59.2 VD6.3 VD9.1 X1.5 | length 131.5
  Top Layer w0.2: R59.2@81.9,16.6 v1(81.9,17.675)
  Top Layer w0.3: v1@75.215,66.3 DD2.43@77.075,66.3 81.099,66.3 92.475,77.676 92.475,84 v1(92.425,84.05) ; VD9.1@85.925,16.1 86.85,16.1 ; v1(86.85,14.7) 86.85,16.1 ; VD6.3@87.975,16.1 87.775,16.1 86.85,16.1 ; v1(101.725,19.525) 101.75,19.5 v1(101.75,16.7)
  Bottom Layer w0.3: v1(75.207,66.307) 75.202,66.302 75.202,65.798 95.25,45.75 95.25,28.1 101.725,21.625 v1(101.725,19.525) ; v1(81.9,17.675) 87.088,17.675 87.469,17.294 87.469,16.656 87.85,16.275 ; v1(86.85,14.7) 87.85,15.7 87.85,16.275 ; X1.5@89.7,97.4 89.7,89.476 90.475,88.701 90.475,85.1 91.525,84.05 v1(92.425,84.05) ; v1(101.75,16.7) 101.325,16.275 87.85,16.275
SD_CS: R30.1 X8.1 | length 56.8
  Top Layer w0.25: v1(22.15,63.475) 22.162,63.487 25.187,63.487 R30.1@25.2,63.5
  Bottom Layer w0.25: X8.1@8,48.9 4.575,52.325 4.575,75.65 7.025,78.1 9.125,78.1 22.15,65.075 v1(22.15,63.475)
SWCLK: DD2.49 X1.3 | length 40.2
  Top Layer w0.25: DD2.49@75.125,70.75 75.135,70.76 75.135,71.51 77.175,73.55 86.375,73.55 90.817,77.992 90.817,86.695 91.046,86.925 91.075,86.925 v1(91.725,87.575)
  Bottom Layer w0.25: v1(91.725,87.575) 91.75,87.575 94.78,90.605 X1.3@94.78,97.4
SWDIO: DD2.46 X1.2 | length 40.8
  Top Layer w0.25: DD2.46@77.075,67.8 78.184,67.8 78.534,67.45 79.572,67.45 80.028,67.45 80.954,67.45 91.275,77.771 91.275,86.05 v1(92.875,87.65)
  Bottom Layer w0.25: v1(92.875,87.65) 92.875,87.712 97.32,92.157 X1.2@97.32,97.4 ; X1.2@97.35,97.287 X1.2@97.35,97.35
T_IRQ: R5.1 X8.2 | length 47.6
  Top Layer w0.25: v1(20.125,64.65) 20.15,64.625 23.975,64.625 R5.1@24,64.6
  Bottom Layer w0.25: X8.2@8,51.44 5,54.44 5,73.4 7.175,75.575 9.2,75.575 v1(20.125,64.65)
T_RES: R31.1 X8.4 | length 26.6
  Top Layer w0.25: v1(12.5,66.525) 12.515,66.54 15.46,66.54 R31.1@15.475,66.555
  Bottom Layer w0.25: X8.4@8,56.52 5.85,58.67 5.85,69.3 7,70.45 10.625,70.45 12.5,68.575 v1(12.5,66.525)
T_SCL: R4.1 X8.5 | length 18.5
  Top Layer w0.25: v1(11.9,67.8) 15.448,67.8 R4.1@15.475,67.773
  Bottom Layer w0.25: X8.5@8,59.06 7.621,59.06 6.283,60.398 6.283,67.008 7.225,67.95 11.655,67.95 11.805,67.8 v1(11.9,67.8)
T_SDA: R6.1 X8.3 | length 40
  Top Layer w0.25: v1(16.175,65.65) 16.2,65.675 23.175,65.675 R6.1@23.2,65.7
  Bottom Layer w0.25: X8.3@8,53.98 5.425,56.555 5.425,71.275 7.2,73.05 8.775,73.05 v1(16.175,65.65)
TX: DD2.42 R57.2 VD6.1 VD9.2 X1.4 | length 135.3
  Top Layer w0.2: v1(80.775,17.575) 80.775,16.625 R57.2@80.8,16.6
  Top Layer w0.3: v1(76.096,65.718) 76.177,65.718 76.259,65.8 81.2,65.8 93.05,77.65 v1(93.05,84.9) ; VD9.2@85.925,18 86.85,18 ; v1(86.85,17.1) 86.85,18 ; VD6.1@87.975,18 87.775,18 86.85,18 ; v1(102.575,19.525) 102.625,19.475 v1(102.625,16.45)
  Bottom Layer w0.3: v1(76.096,65.718) 76.177,65.718 76.314,65.581 76.419,65.581 95.675,46.325 95.675,28.35 102.575,21.45 v1(102.575,19.525) ; v1(80.775,17.575) 81.25,17.1 85.625,17.1 ; v1(86.85,17.1) 85.625,17.1 ; X1.4@92.24,97.4 92.24,89.665 90.9,88.325 90.9,86.1 92.1,84.9 v1(93.05,84.9) ; v1(102.625,16.45) 101.625,15.45 89.675,15.45 87.95,13.725 86.325,13.725 85.625,14.425 85.625,17.1
uC_LED: DD2.45 uC_LED.0 VD13.2 | length 64.3
  Top Layer w0.3: DD2.45@77.075,67.3 78.119,67.3 78.494,66.925 v1@79.8,66.925 ; v1(89,56.8) 97.675,48.125 109.475,48.125 118.175,39.425 VD13.2@127.3,39.425 127.275,39.45 127.275,41.075 uC_LED.0@127.25,41.1
  Bottom Layer w0.3: v1(79.8,66.9) 79.8,65.387 85.377,59.81 85.99,59.81 v1(89,56.8)
Vbat: B1.1 R35.1 VD1.1 | length 23.3
  Top Layer w0.4: v1(59.375,79.15) 59.375,80.238 59.437,80.3 ; v1(59.4,75.375) R35.1@61.625,75.375
  Top Layer w1: B1.1@48.5,88.85 B1.1@48.7,88.85 49.464,88.086 52.114,88.086 59.9,80.3 ; 59.437,80.3 59.9,80.3 ; VD1.1@60.625,80.3 59.9,80.3
  Bottom Layer w0.4: v1(59.375,79.15) 59.4,79.125 v1(59.4,75.375)
pads on no net: C14. C18. C21. C26. C30. C33. C34. C35. D1.0 D1.1@78.9,84.075 D1.9 D2.28 DA1.1 DA2. DA4. DA5.3 DA5.5 DA6. DD2. DD2.1@65.975,70.45 DD2.2 DD2.16 DD2.33 DD2.54 DD3.28 SB1.360 SB1.N VD1. VD4. VD5. VD6. VD7. VD8. VD9. VD11. VD12. VD16. VD17. VD18. VD19. VS1. VT1. VT2. VT5.NONE X5.11 X7.13

## Polygon pours and split planes (outlines as drawn)
GND on Top Layer "GND_PRI_POLY" (solid, remove dead copper, pour order 0): 4,78.5 0,78.5 0,56 4,56 4,34 28.5,34 28.5,0 58,0 58,2.5 cw(c67.5,2.5) 67.5,12 cw(c67.5,2.5) 77,2.5 77,0 131,0 131,99 45.5,99 45,99 cw(c36,108.821) 27,99 4,99
GND on Bottom Layer "GND_PRI_POLY" (solid, remove dead copper, pour order 4): 4,78.5 0,78.5 0,56 4,56 4,34 28.5,34 28.5,0 58,0 58,2.5 cw(c67.5,2.5) 67.5,12 cw(c67.5,2.5) 77,2.5 77,0 131,0 131,99 45.5,99 45,99 cw(c36,108.821) 27,99 4,99

## Other copper
Top Layer:
  rectangle net GND: 71.15,29.875 75.075,35.2
  rectangle net GND: 37.175,25.75 44.025,28.125
  rectangle net +3.3V: 53.225,40.425 72.2,44.45
  rectangle net GND: 52.525,33.95 75.075,37.6
  rectangle net NetR11_1: 110.425,70.9 115.9,83.4
  rectangle net GND: 29.15,25.225 37.55,30.85
  rectangle net +15V: 106,17.6 110.025,18.8
  rectangle net GND: 71.175,23.025 103.25,31.5
  rectangle net GND: 71.175,19.125 91.775,24.525
  rectangle net +15V: 108.2,20.675 115.725,23.325
  rectangle net +15V: 109.15,12.3 110.925,27.225
  pour cut-out: 131,99 118,99 103,84 103,70 104,69 131,69
Bottom Layer:
  rectangle net +3.3V: 53.225,40.425 72.2,44.45
  pour cut-out: 131,99 118,99 103,84 103,70 104,69 131,69

## Silkscreen, mask and mechanical layers (free items; w line width, h text height)
Top Overlay:
  circle w0.3: c22,45 r1.118
  lines w0.25: 16.9,64.9 cw(c16.9,59.8) 22,59.8 22,49.2 cw(c16.9,49.2) 16.9,44.1 cw(c16.9,49.2) 11.8,49.2 11.8,59.8 cw(c16.9,59.8) 16.9,64.9 ; 16.899,64.9 16.9,64.9
  lines w0.3: 62.975,91.2 77.25,91.2 77.25,97.825 62.975,97.825 62.975,91.2
  text "REL AC" at 102.491,96 h0.8 r90
  text "REV. 3" at 63.625,95.058 h3
  text ".ModifiedDate" at 63.597,92.033 h3
  text "DIO" at 97.88,91.25 h1.8 r90
  text "RES" at 85.13,91.2 h1.8 r90
  text "BOOT" at 87.705,91.175 h1.8 r90
  text "TX" at 92.8,91.175 h1.8 r90
  text "GND" at 82.63,91.125 h1.8 r90
  text "RX" at 90.3,91.125 h1.8 r90
  text "CLK" at 95.33,91.1 h1.8 r90
  text "+3,3V" at 100.65,90.9 h1.8 r90
  text "ВЫХ 2" at 123.7,86.4 h2
  text "ВЫХ 1" at 122.7,69.1 h2
  text "RELAY DC" at 113.725,68.813 h1.2
  text "uC" at 125.175,40.813 h1.2
  text "3,3V" at 75.71,31.4 h1.5 r90
  text "+" at 41.8,16.533 h1
  text "E_RK" at 39.9,13.913 h1.2
  text "Pw" at 93.2,13.6 h1
  text "GND" at 118.475,13.6 h1.3 r90
  text "GND" at 97.825,13.575 h1
  text "+15V" at 115.875,13.55 h1.3 r90
  text "Sig" at 95.65,13.4 h1
  text "15V" at 109.4,3.613 h1.2
  text "МОТОР" at 30.294,1.1 h2.8 r90
  text "ВХ1" at 48.2,0.95 h2.8 r90
  text "СВЯЗЬ" at 78.847,0.925 h2.5 r90
  text "ПИТАНИЕ" at 121.65,0.475 h2.8 r90
  text "РАСХОДОМЕР" at 92.4,0.35 h2 r90
Bottom Overlay:
  drawing of 42 lines, arcs and shapes, not listed
Board:
  lines w0.1: 3.7,54.9 3.7,33.3 27.2,33.3 cw(c27.15,32.45) 28,32.4 28,0 58,0 ; 3.7,54.902 ccw(c2.964,54.853) 2.96,55.59 0,55.6 0,78.8 2.9,78.8 ccw(c2.9,79.6) 3.7,79.6 3.7,99 27.2,99 ccw(c36.1,107.9) 45,99 131,99 131,0 77,0 77,2.7 ccw(c67.6,2.6) 67.5,12 ccw(c67.75,2.25) 58,2 58,0 ; 58,0 58,0 ; 6,37.9 cw(c7.9,38) 7.8,39.9 10.1,39.9 cw(c10.05,37.95) 12,37.9 cw(c10.1,37.8) 10.2,35.9 7.9,35.9 cw(c7.95,37.85) 6,37.9 ; 6,93 cw(c7.9,93.1) 7.8,95 10.1,95 cw(c10.05,93.05) 12,93 cw(c10.1,92.9) 10.2,91 7.9,91 cw(c7.95,92.95) 6,93 ; 9.528,60.028 ccw(c9.93,59.626) 9.65,59.132 11.573,58.042 ccw(c11.891,58.603) 12.347,58.147 13.353,59.153 ccw(c12.897,59.609) 13.458,59.927 12.368,61.85 ccw(c11.874,61.57) 11.472,61.972 9.528,60.028 ; 12.4,54.6 ccw(c13.1,54.6) 13.1,53.9 20.7,53.9 ccw(c20.7,54.6) 21.4,54.6 ccw(c20.7,54.6) 20.7,55.3 13.1,55.3 ccw(c13.1,54.6) 12.4,54.6 ; 15.4,49.6 ccw(c15.9,49.6) 15.9,49.1 17.9,49.1 ccw(c17.9,49.6) 18.4,49.6 18.4,52.4 ccw(c17.9,52.4) 17.9,52.9 15.9,52.9 ccw(c15.9,52.4) 15.4,52.4 15.4,49.6 ; 15.4,57.1 ccw(c15.9,57.1) 15.9,56.6 17.9,56.6 ccw(c17.9,57.1) 18.4,57.1 18.4,59.1 ccw(c17.9,59.1) 17.9,59.6 15.9,59.6 ccw(c15.9,59.1) 15.4,59.1 15.4,57.1 ; 20.342,49.273 cw(c20.903,49.591) 20.447,50.047 21.453,51.053 cw(c21.909,50.597) 22.227,51.158 24.15,50.068 cw(c23.87,49.574) 24.272,49.172 22.328,47.228 cw(c21.926,47.63) 21.432,47.35 20.342,49.273 ; 107.9,37.9 ccw(c109.85,37.85) 109.8,35.9 112.1,35.9 ccw(c112,37.8) 113.9,37.9 ccw(c111.95,37.95) 112,39.9 109.7,39.9 ccw(c109.8,38) 107.9,37.9 ; 107.9,93 cw(c109.8,93.1) 109.7,95 112,95 cw(c111.95,93.05) 113.9,93 cw(c112,92.9) 112.1,91 109.8,91 cw(c109.85,92.95) 107.9,93

## Text inside footprints (layer, text, board x,y; h text height)
VD10: Top Overlay "C" at 13.876,51.882 h0.8; Top Overlay "A" at 18.875,51.9 h0.8
VT3: Top Overlay "C" at 18.851,59.032 h0.8; Top Overlay "E" at 14.075,59.05 h0.8